# Allegro board 8880F5-0827_txbegin.brd (continued)
## Routing (per net, layer and track width the routed paths; a pad name or vN(x,y) marks a point on that pad's centre or on a via; arc(x,y) is an arc through that point) (continued)
; 411.48,349.71 D110.B5 ; D110.B5 411.48,351.33 ; D110.B5 410.67,350.52 ; D110.B5 412.29,350.52 ; 175.26,83.11 D317.A7 ; D317.A7 175.26,84.53 ; D317.A7 175.97,83.82 ; D317.A7 174.55,83.82 ; 392.99,66.04 D306.A6 ; D306.A6 393.7,65.33 ; D306.A6 393.7,66.75 ; D306.A6 394.41,66.04 ; 393.7,70.41 D306.B6 ; D306.B6 392.99,71.12 ; D306.B6 394.41,71.12 ; D306.B6 393.7,71.83 ; 253.33,180.85 SITE3.G6 ; SITE3.G6 253.81,181.33 ; SITE3.G6 252.85,181.33 ; SITE3.G6 253.33,181.81 ; D231.A17 160.83,375.92 ; D231.A17 159.21,375.92 ; D231.A17 160.02,375.11 ; D231.A17 160.02,376.73 ; D111.A1 421.64,376.73 ; D111.A1 421.64,375.11 ; D111.A1 420.83,375.92 ; D111.A1 422.45,375.92 ; D104.A9 328.47,33.02 ; D104.A9 327.66,33.83 ; D104.A9 327.66,32.21 ; D104.A9 326.85,33.02 ; D127.A7 27.94,54.15 ; D127.A7 27.13,53.34 ; D127.A7 27.94,52.53 ; D127.A7 28.75,53.34 ; CSDPS229.B12 172.72,333.55 ; CSDPS229.B12 172.72,331.93 ; CSDPS229.B12 171.91,332.74 ; CSDPS229.B12 173.53,332.74 ; 415.75,73.66 D106.A15 ; D106.A15 416.56,74.47 ; D106.A15 416.56,72.85 ; D106.A15 417.37,73.66 ; 233.68,77.93 D122.B1 ; D122.B1 234.49,78.74 ; D122.B1 232.87,78.74 ; D122.B1 233.68,79.55 ; D104.A6 320.04,36.37 ; D104.A6 319.23,35.56 ; D104.A6 320.04,34.75 ; D104.A6 320.85,35.56 ; 247.85,241.33 SITE1.G1 ; SITE1.G1 248.81,241.33 ; SITE1.G1 248.33,241.81 ; SITE1.G1 248.33,240.85 ; D126.B16 50.8,82.09 ; D126.B16 50.8,80.47 ; D126.B16 51.61,81.28 ; D126.B16 49.99,81.28 ; 415.75,355.6 D110.A3 ; D110.A3 416.56,356.41 ; D110.A3 417.37,355.6 ; D110.A3 416.56,354.79 ; D118.A10 182.88,77.01 ; D118.A10 182.07,76.2 ; D118.A10 183.69,76.2 ; D118.A10 182.88,75.39 ; D129.A14 120.19,96.52 ; D129.A14 119.38,95.71 ; D129.A14 118.57,96.52 ; D129.A14 119.38,97.33 ; D118.A16 198.12,77.01 ; D118.A16 197.31,76.2 ; D118.A16 198.12,75.39 ; D118.A16 198.93,76.2 ; 192.23,368.3 D231.B4 ; D231.B4 193.04,369.11 ; D231.B4 193.85,368.3 ; D231.B4 193.04,367.49 ; D132.A6 99.06,36.37 ; D132.A6 99.87,35.56 ; D132.A6 98.25,35.56 ; D132.A6 99.06,34.75 ; 345.44,90.73 D301.B16 ; D301.B16 345.44,92.15 ; D301.B16 346.15,91.44 ; D301.B16 344.73,91.44 ; D113.A15 312.42,336.09 ; D113.A15 311.61,335.28 ; D113.A15 313.23,335.28 ; D113.A15 312.42,334.47 ; D128.A6 26.21,35.56 ; D128.A6 24.59,35.56 ; D128.A6 25.4,34.75 ; D128.A6 25.4,36.37 ; 121.92,77.93 D130.B15 ; D130.B15 122.73,78.74 ; D130.B15 121.92,79.55 ; D130.B15 121.11,78.74 ; CSDPS425.C7 259.89,340.36 ; CSDPS425.C7 258.27,340.36 ; CSDPS425.C7 259.08,339.55 ; CSDPS425.C7 259.08,341.17 ; D305.B10 404.57,91.44 ; D305.B10 403.86,92.15 ; D305.B10 403.15,91.44 ; D305.B10 403.86,90.73 ; D116.B16 310.69,388.62 ; D116.B16 309.07,388.62 ; D116.B16 309.88,389.43 ; D116.B16 309.88,387.81 ; D104.B2 309.88,41.45 ; D104.B2 309.88,39.83 ; D104.B2 309.07,40.64 ; D104.B2 310.69,40.64 ; D231.B1 200.66,371.65 ; D231.B1 199.85,370.84 ; D231.B1 200.66,370.03 ; D231.B1 201.47,370.84 ; D108.B8 399.59,40.64 ; D108.B8 398.78,39.83 ; D108.B8 397.97,40.64 ; D108.B8 398.78,41.45 ; 159.21,386.08 D431.A17 ; D431.A17 160.83,386.08 ; D431.A17 160.02,385.27 ; D431.A17 160.02,386.89 ; D431.B13 170.18,381.81 ; D431.B13 169.37,381 ; D431.B13 170.99,381 ; D431.B13 170.18,380.19 ; 337.01,58.42 D103.B13 ; D103.B13 337.82,59.23 ; D103.B13 338.63,58.42 ; D103.B13 337.82,57.61 ; 309.07,35.56 D104.A2 ; D104.A2 309.88,36.37 ; D104.A2 309.88,34.75 ; D104.A2 310.69,35.56 ; 329.39,393.7 D116.A8 ; D116.A8 331.01,393.7 ; D116.A8 330.2,392.89 ; D116.A8 330.2,394.51 ; 252.63,245.95 SITE1.G20 ; SITE1.G20 252.63,246.91 ; SITE1.G20 253.11,246.43 ; SITE1.G20 252.15,246.43 ; D106.A2 383.54,77.01 ; D106.A2 382.73,76.2 ; D106.A2 383.54,75.39 ; D106.A2 384.35,76.2 ; 406.4,13.16 DPS1.A11 ; DPS1.A11 405.59,13.97 ; DPS1.A11 406.4,14.78 ; DPS1.A11 407.21,13.97 ; 400.51,53.34 D107.A9 ; D107.A9 401.32,54.15 ; D107.A9 402.13,53.34 ; D107.A9 401.32,52.53 ; CSDPS425.B4 266.7,343.71 ; CSDPS425.B4 265.89,342.9 ; CSDPS425.B4 266.7,342.09 ; CSDPS425.B4 267.51,342.9 ; D103.A10 330.2,56.69 ; D103.A10 330.2,55.07 ; D103.A10 331.01,55.88 ; D103.A10 329.39,55.88 ; 261.62,60.15 D123.B12 ; D123.B12 262.43,60.96 ; D123.B12 261.62,61.77 ; D123.B12 260.81,60.96 ; D124.A8 252.27,35.56 ; D124.A8 250.65,35.56 ; D124.A8 251.46,36.37 ; D124.A8 251.46,34.75 ; 198.12,70.41 D318.B16 ; D318.B16 198.12,71.83 ; D318.B16 198.83,71.12 ; D318.B16 197.41,71.12 ; 320.04,372.57 D115.A12 ; D115.A12 320.04,374.19 ; D115.A12 319.23,373.38 ; D115.A12 320.85,373.38 ; 189.69,415.29 DPS8.A05 ; DPS8.A05 190.5,416.1 ; DPS8.A05 190.5,414.48 ; DPS8.A05 191.31,415.29 ; D132.A8 104.14,36.37 ; D132.A8 104.14,34.75 ; D132.A8 103.33,35.56 ; D132.A8 104.95,35.56 ; D106.A12 409.75,76.2 ; D106.A12 408.94,77.01 ; D106.A12 408.13,76.2 ; D106.A12 408.94,75.39 ; D126.A7 27.94,74.47 ; D126.A7 27.94,72.85 ; D126.A7 28.75,73.66 ; D126.A7 27.13,73.66 ; 255.73,342.9 CSDPS425.B8 ; CSDPS425.B8 257.35,342.9 ; CSDPS425.B8 256.54,343.71 ; CSDPS425.B8 256.54,342.09 ; D318.A3 165.1,64.21 ; D318.A3 165.81,63.5 ; D318.A3 165.1,62.79 ; D318.A3 164.39,63.5 ; D129.B15 121.92,99.87 ; D129.B15 121.11,99.06 ; D129.B15 121.92,98.25 ; D129.B15 122.73,99.06 ; D130.A4 94.79,76.2 ; D130.A4 93.17,76.2 ; D130.A4 93.98,77.01 ; D130.A4 93.98,75.39 ; D123.A2 237.03,55.88 ; D123.A2 235.41,55.88 ; D123.A2 236.22,55.07 ; D123.A2 236.22,56.69 ; 320.04,392.89 D116.A12 ; D116.A12 319.23,393.7 ; D116.A12 320.04,394.51 ; D116.A12 320.85,393.7 ; 194.77,381 D431.B3 ; D431.B3 195.58,381.81 ; D431.B3 196.39,381 ; D431.B3 195.58,380.19 ; D126.B4 20.32,82.09 ; D126.B4 21.13,81.28 ; D126.B4 19.51,81.28 ; D126.B4 20.32,80.47 ; D114.B9 328.47,350.52 ; D114.B9 327.66,351.33 ; D114.B9 326.85,350.52 ; D114.B9 327.66,349.71 ; 164.29,38.1 D120.B3 ; D120.B3 165.1,38.91 ; D120.B3 165.1,37.29 ; D120.B3 165.91,38.1 ; 199.85,415.29 DPS8.A01 ; DPS8.A01 201.47,415.29 ; DPS8.A01 200.66,416.1 ; DPS8.A01 200.66,414.48 ; D131.B3 91.44,59.23 ; D131.B3 90.63,58.42 ; D131.B3 91.44,57.61 ; D131.B3 92.25,58.42 ; D119.B16 198.12,61.77 ; D119.B16 197.31,60.96 ; D119.B16 198.93,60.96 ; D119.B16 198.12,60.15 ; D131.B10 109.22,61.77 ; D131.B10 109.22,60.15 ; D131.B10 110.03,60.96 ; D131.B10 108.41,60.96 ; 175.26,339.55 CSDPS429.C11 ; CSDPS429.C11 174.45,340.36 ; CSDPS429.C11 176.07,340.36 ; CSDPS429.C11 175.26,341.17 ; 22.05,93.98 D125.A5 ; D125.A5 23.67,93.98 ; D125.A5 22.86,94.79 ; D125.A5 22.86,93.17 ; D113.B15 312.42,331.01 ; D113.B15 312.42,329.39 ; D113.B15 311.61,330.2 ; D113.B15 313.23,330.2 ; CSDPS229.C5 190.5,331.01 ; CSDPS229.C5 190.5,329.39 ; CSDPS229.C5 189.69,330.2 ; CSDPS229.C5 191.31,330.2 ; 240.59,91.44 D321.B4 ; D321.B4 241.3,90.73 ; D321.B4 242.01,91.44 ; D321.B4 241.3,92.15 ; 386.08,37.29 D108.B3 ; D108.B3 386.89,38.1 ; D108.B3 385.27,38.1 ; D108.B3 386.08,38.91 ; D110.B2 419.91,347.98 ; D110.B2 419.1,347.17 ; D110.B2 419.1,348.79 ; D110.B2 418.29,347.98 ; CSDPS225.C11 248.92,331.01 ; CSDPS225.C11 248.92,329.39 ; CSDPS225.C11 248.11,330.2 ; CSDPS225.C11 249.73,330.2 ; 124.46,60.15 D131.B16 ; D131.B16 125.27,60.96 ; D131.B16 124.46,61.77 ; D131.B16 123.65,60.96 ; 390.35,370.84 D111.B13 ; D111.B13 391.16,371.65 ; D111.B13 391.97,370.84 ; D111.B13 391.16,370.03 ; 397.97,60.96 D107.B8 ; D107.B8 399.59,60.96 ; D107.B8 398.78,61.77 ; D107.B8 398.78,60.15 ; D119.A7 176.07,53.34 ; D119.A7 175.26,54.15 ; D119.A7 175.26,52.53 ; D119.A7 174.45,53.34 ; 333.33,180.85 SITE4.G6 ; SITE4.G6 333.81,181.33 ; SITE4.G6 333.33,181.81 ; SITE4.G6 332.85,181.33 ; 30.48,100.79 D125.B8 ; D125.B8 29.67,101.6 ; D125.B8 30.48,102.41 ; D125.B8 31.29,101.6 ; 195.58,62.79 D318.A15 ; D318.A15 194.87,63.5 ; D318.A15 196.29,63.5 ; D318.A15 195.58,64.21 ; 330.95,246.43 SITE2.G19 ; SITE2.G19 331.91,246.43 ; SITE2.G19 331.43,245.95 ; SITE2.G19 331.43,246.91 ; D124.A9 254.81,33.02 ; D124.A9 254,32.21 ; D124.A9 253.19,33.02 ; D124.A9 254,33.83 ; 258.37,83.82 D321.A11 ; D321.A11 259.08,83.11 ; D321.A11 259.08,84.53 ; D321.A11 259.79,83.82 ; D431.B9 180.34,381.81 ; D431.B9 181.15,381 ; D431.B9 180.34,380.19 ; D431.B9 179.53,381 ; 260.81,40.64 D124.B12 ; D124.B12 261.62,39.83 ; D124.B12 262.43,40.64 ; D124.B12 261.62,41.45 ; 37.29,38.1 D128.B11 ; D128.B11 38.1,37.29 ; D128.B11 38.1,38.91 ; D128.B11 38.91,38.1 ; 100.79,78.74 D130.B7 ; D130.B7 101.6,77.93 ; D130.B7 102.41,78.74 ; D130.B7 101.6,79.55 ; 180.34,72.85 D118.A9 ; D118.A9 180.34,74.47 ; D118.A9 181.15,73.66 ; D118.A9 179.53,73.66 ; D129.A10 109.22,97.33 ; D129.A10 109.22,95.71 ; D129.A10 108.41,96.52 ; D129.A10 110.03,96.52 ; D106.B12 408.94,82.09 ; D106.B12 408.13,81.28 ; D106.B12 409.75,81.28 ; D106.B12 408.94,80.47 ; D116.A9 327.66,397.05 ; D116.A9 327.66,395.43 ; D116.A9 326.85,396.24 ; D116.A9 328.47,396.24 ; 172.72,75.39 D118.A6 ; D118.A6 172.72,77.01 ; D118.A6 171.91,76.2 ; D118.A6 173.53,76.2 ; 329.75,182.83 SITE4.G14 ; SITE4.G14 330.71,182.83 ; SITE4.G14 330.23,183.31 ; SITE4.G14 330.23,182.35 ; 164.29,410.21 DPS8.C15 ; DPS8.C15 165.1,409.4 ; DPS8.C15 165.1,411.02 ; DPS8.C15 165.91,410.21 ; D103.B7 323.39,58.42 ; D103.B7 321.77,58.42 ; D103.B7 322.58,59.23 ; D103.B7 322.58,57.61 ; 400.51,396.24 D112.A9 ; D112.A9 401.32,397.05 ; D112.A9 401.32,395.43 ; D112.A9 402.13,396.24 ; 179.63,88.9 D317.B9 ; D317.B9 180.34,88.19 ; D317.B9 181.05,88.9 ; D317.B9 180.34,89.61 ; D318.B15 195.58,69.29 ; D318.B15 196.29,68.58 ; D318.B15 195.58,67.87 ; D318.B15 194.87,68.58 ; D126.A13 43.99,73.66 ; D126.A13 42.37,73.66 ; D126.A13 43.18,74.47 ; D126.A13 43.18,72.85 ; 32.21,99.06 D125.B9 ; D125.B9 33.83,99.06 ; D125.B9 33.02,99.87 ; D125.B9 33.02,98.25 ; D123.B4 242.11,60.96 ; D123.B4 241.3,60.15 ; D123.B4 241.3,61.77 ; D123.B4 240.49,60.96 ; 314.15,55.88 D103.A4 ; D103.A4 314.96,55.07 ; D103.A4 314.96,56.69 ; D103.A4 315.77,55.88 ; D107.A12 409.75,55.88 ; D107.A12 408.13,55.88 ; D107.A12 408.94,55.07 ; D107.A12 408.94,56.69 ; D122.A8 252.27,76.2 ; D122.A8 251.46,75.39 ; D122.A8 251.46,77.01 ; D122.A8 250.65,76.2 ; D122.B2 236.22,82.09 ; D122.B2 235.41,81.28 ; D122.B2 236.22,80.47 ; D122.B2 237.03,81.28 ; D302.B14 341.07,71.12 ; D302.B14 340.36,70.41 ; D302.B14 340.36,71.83 ; D302.B14 339.65,71.12 ; 408.13,35.56 D108.A12 ; D108.A12 408.94,34.75 ; D108.A12 409.75,35.56 ; D108.A12 408.94,36.37 ; 401.32,329.39 D109.B9 ; D109.B9 402.13,330.2 ; D109.B9 400.51,330.2 ; D109.B9 401.32,331.01 ; 250.65,81.28 D122.B8 ; D122.B8 251.46,82.09 ; D122.B8 251.46,80.47 ; D122.B8 252.27,81.28 ; 347.17,330.2 D113.B1 ; D113.B1 347.98,331.01 ; D113.B1 348.79,330.2 ; D113.B1 347.98,329.39 ; D123.A4 242.11,55.88 ; D123.A4 240.49,55.88 ; D123.A4 241.3,55.07 ; D123.A4 241.3,56.69 ; D231.A3 195.58,376.73 ; D231.A3 195.58,375.11 ; D231.A3 194.77,375.92 ; D231.A3 196.39,375.92 ; 248.11,33.02 D124.A7 ; D124.A7 248.92,32.21 ; D124.A7 249.73,33.02 ; D124.A7 248.92,33.83 ; 414.02,80.47 D106.B14 ; D106.B14 413.21,81.28 ; D106.B14 414.02,82.09 ; D106.B14 414.83,81.28 ; 252.33,247.45 SITE1.G11 ; SITE1.G11 252.81,247.93 ; SITE1.G11 252.33,248.41 ; SITE1.G11 251.85,247.93 ; 179.63,63.5 D318.A9 ; D318.A9 181.05,63.5 ; D318.A9 180.34,62.79 ; D318.A9 180.34,64.21 ; 43.18,52.53 D127.A13 ; D127.A13 43.99,53.34 ; D127.A13 42.37,53.34 ; D127.A13 43.18,54.15 ; D231.A8 183.69,373.38 ; D231.A8 182.07,373.38 ; D231.A8 182.88,372.57 ; D231.A8 182.88,374.19 ; D431.B12 172.72,379.27 ; D431.B12 172.72,377.65 ; D431.B12 171.91,378.46 ; D431.B12 173.53,378.46 ; 330.95,242.83 SITE2.G15 ; SITE2.G15 331.43,242.35 ; SITE2.G15 331.91,242.83 ; SITE2.G15 331.43,243.31 ; 317.5,370.03 D115.B13 ; D115.B13 317.5,371.65 ; D115.B13 318.31,370.84 ; D115.B13 316.69,370.84 ; D321.B11 259.79,88.9 ; D321.B11 259.08,88.19 ; D321.B11 259.08,89.61 ; D321.B11 258.37,88.9 ; D125.A12 41.45,96.52 ; D125.A12 39.83,96.52 ; D125.A12 40.64,97.33 ; D125.A12 40.64,95.71 ; 517.98,203.45 S4_I2C.4 ; S4_I2C.4 518.92,202.51 ; S4_I2C.4 518.92,204.39 ; S4_I2C.4 519.86,203.45 ; 250.85,241.33 SITE1.G4 ; SITE1.G4 251.33,240.85 ; SITE1.G4 251.33,241.81 ; SITE1.G4 251.81,241.33 ; 330.23,185.95 SITE4.G18 ; SITE4.G18 330.71,186.43 ; SITE4.G18 330.23,186.91 ; SITE4.G18 329.75,186.43 ; CSDPS425.B12 247.19,342.9 ; CSDPS425.B12 246.38,342.09 ; CSDPS425.B12 246.38,343.71 ; CSDPS425.B12 245.57,342.9 ; D119.B5 170.99,58.42 ; D119.B5 170.18,57.61 ; D119.B5 169.37,58.42 ; D119.B5 170.18,59.23 ; 43.18,32.21 D128.A13 ; D128.A13 43.18,33.83 ; D128.A13 42.37,33.02 ; D128.A13 43.99,33.02 ; D124.A16 272.59,35.56 ; D124.A16 270.97,35.56 ; D124.A16 271.78,36.37 ; D124.A16 271.78,34.75 ; D128.A15 49.07,33.02 ; D128.A15 48.26,33.83 ; D128.A15 47.45,33.02 ; D128.A15 48.26,32.21 ; D129.B9 107.49,99.06 ; D129.B9 106.68,99.87 ; D129.B9 106.68,98.25 ; D129.B9 105.87,99.06 ; 332.74,67.87 D302.B11 ; D302.B11 333.45,68.58 ; D302.B11 332.03,68.58 ; D302.B11 332.74,69.29 ; D124.B8 252.27,40.64 ; D124.B8 251.46,39.83 ; D124.B8 250.65,40.64 ; D124.B8 251.46,41.45 ; D301.A1 308.05,83.82 ; D301.A1 306.63,83.82 ; D301.A1 307.34,83.11 ; D301.A1 307.34,84.53 ; 255.73,40.64 D124.B10 ; D124.B10 257.35,40.64 ; D124.B10 256.54,39.83 ; D124.B10 256.54,41.45 ; D108.A8 399.59,35.56 ; D108.A8 397.97,35.56 ; D108.A8 398.78,36.37 ; D108.A8 398.78,34.75 ; 189.79,63.5 D318.A13 ; D318.A13 191.21,63.5 ; D318.A13 190.5,64.21 ; D318.A13 190.5,62.79 ; 251.85,187.93 SITE3.G11 ; SITE3.G11 252.81,187.93 ; SITE3.G11 252.33,187.45 ; SITE3.G11 252.33,188.41 ; D317.A1 160.73,83.82 ; D317.A1 159.31,83.82 ; D317.A1 160.02,84.53 ; D317.A1 160.02,83.11 ; 314.25,71.12 D302.B4 ; D302.B4 314.96,70.41 ; D302.B4 315.67,71.12 ; D302.B4 314.96,71.83 ; 250.85,181.33 SITE3.G4 ; SITE3.G4 251.33,181.81 ; SITE3.G4 251.33,180.85 ; SITE3.G4 251.81,181.33 ; 12.7,32.21 D128.A1 ; D128.A1 11.89,33.02 ; D128.A1 13.51,33.02 ; D128.A1 12.7,33.83 ; 246.38,85.65 D321.A6 ; D321.A6 247.09,86.36 ; D321.A6 246.38,87.07 ; D321.A6 245.67,86.36 ; 382.83,86.36 D305.A2 ; D305.A2 383.54,85.65 ; D305.A2 384.25,86.36 ; D305.A2 383.54,87.07 ; 309.07,347.98 D114.B16 ; D114.B16 309.88,347.17 ; D114.B16 309.88,348.79 ; D114.B16 310.69,347.98 ; 326.85,58.42 D103.B9 ; D103.B9 327.66,59.23 ; D103.B9 327.66,57.61 ; D103.B9 328.47,58.42 ; D109.B13 391.16,331.01 ; D109.B13 391.97,330.2 ; D109.B13 390.35,330.2 ; D109.B13 391.16,329.39 ; 388.62,55.07 D107.A4 ; D107.A4 389.43,55.88 ; D107.A4 388.62,56.69 ; D107.A4 387.81,55.88 ; 174.55,88.9 D317.B7 ; D317.B7 175.97,88.9 ; D317.B7 175.26,89.61 ; D317.B7 175.26,88.19 ; 401.32,354.79 D110.A9 ; D110.A9 402.13,355.6 ; D110.A9 400.51,355.6 ; D110.A9 401.32,356.41 ; 182.88,65.33 D318.A10 ; D318.A10 183.59,66.04 ; D318.A10 182.88,66.75 ; D318.A10 182.17,66.04 ; 43.18,57.61 D127.B13 ; D127.B13 43.99,58.42 ; D127.B13 43.18,59.23 ; D127.B13 42.37,58.42 ; SITE3.G3 250.33,181.81 ; SITE3.G3 249.85,181.33 ; SITE3.G3 250.81,181.33 ; SITE3.G3 250.33,180.85 ; 104.14,95.71 D129.A8 ; D129.A8 104.95,96.52 ; D129.A8 104.14,97.33 ; D129.A8 103.33,96.52 ; D102.A1 308.15,73.66 ; D102.A1 306.53,73.66 ; D102.A1 307.34,74.47 ; D102.A1 307.34,72.85 ; 401.32,349.71 D110.B9 ; D110.B9 401.32,351.33 ; D110.B9 400.51,350.52 ; D110.B9 402.13,350.52 ; 395.43,396.24 D112.A11 ; D112.A11 396.24,395.43 ; D112.A11 397.05,396.24 ; D112.A11 396.24,397.05 ; D127.B10 35.56,61.77 ; D127.B10 34.75,60.96 ; D127.B10 36.37,60.96 ; D127.B10 35.56,60.15 ; 273.51,330.2 CSDPS225.C1 ; CSDPS225.C1 274.32,329.39 ; CSDPS225.C1 275.13,330.2 ; CSDPS225.C1 274.32,331.01 ; 347.98,390.35 D116.B1 ; D116.B1 347.98,391.97 ; D116.B1 347.17,391.16 ; D116.B1 348.79,391.16 ; D306.B15 416.56,69.29 ; D306.B15 416.56,67.87 ; D306.B15 415.85,68.58 ; D306.B15 417.27,68.58 ; 330.2,34.75 D104.A10 ; D104.A10 329.39,35.56 ; D104.A10 331.01,35.56 ; D104.A10 330.2,36.37 ; D321.B1 233.68,89.61 ; D321.B1 233.68,88.19 ; D321.B1 234.39,88.9 ; D321.B1 232.97,88.9 ; 408.23,66.04 D306.A12 ; D306.A12 409.65,66.04 ; D306.A12 408.94,65.33 ; D306.A12 408.94,66.75 ; 98.25,55.88 D131.A6 ; D131.A6 99.06,56.69 ; D131.A6 99.87,55.88 ; D131.A6 99.06,55.07 ; 29.67,76.2 D126.A8 ; D126.A8 31.29,76.2 ; D126.A8 30.48,77.01 ; D126.A8 30.48,75.39 ; 119.38,100.79 D129.B14 ; D129.B14 118.57,101.6 ; D129.B14 120.19,101.6 ; D129.B14 119.38,102.41 ; D102.B10 330.2,82.09 ; D102.B10 330.2,80.47 ; D102.B10 329.39,81.28 ; D102.B10 331.01,81.28 ; D127.B7 27.94,59.23 ; D127.B7 27.13,58.42 ; D127.B7 27.94,57.61 ; D127.B7 28.75,58.42 ; 322.58,349.71 D114.B11 ; D114.B11 323.39,350.52 ; D114.B11 321.77,350.52 ; D114.B11 322.58,351.33 ; 35.56,80.47 D126.B10 ; D126.B10 36.37,81.28 ; D126.B10 34.75,81.28 ; D126.B10 35.56,82.09 ; 328.85,187.93 SITE4.G8 ; SITE4.G8 329.33,187.45 ; SITE4.G8 329.81,187.93 ; SITE4.G8 329.33,188.41 ; D120.B2 162.56,41.45 ; D120.B2 161.75,40.64 ; D120.B2 163.37,40.64 ; D120.B2 162.56,39.83 ; D231.B9 180.34,371.65 ; D231.B9 181.15,370.84 ; D231.B9 180.34,370.03 ; D231.B9 179.53,370.84 ; D321.A15 269.24,84.53 ; D321.A15 269.24,83.11 ; D321.A15 268.53,83.82 ; D321.A15 269.95,83.82 ; D131.B12 115.11,60.96 ; D131.B12 114.3,60.15 ; D131.B12 114.3,61.77 ; D131.B12 113.49,60.96 ; D111.A12 393.7,374.19 ; D111.A12 393.7,372.57 ; D111.A12 394.51,373.38 ; D111.A12 392.89,373.38 ; 255.73,332.74 CSDPS225.B8 ; CSDPS225.B8 256.54,331.93 ; CSDPS225.B8 256.54,333.55 ; CSDPS225.B8 257.35,332.74 ; D103.A9 327.66,54.15 ; D103.A9 326.85,53.34 ; D103.A9 328.47,53.34 ; D103.A9 327.66,52.53 ; D130.A10 110.03,76.2 ; D130.A10 109.22,75.39 ; D130.A10 108.41,76.2 ; D130.A10 109.22,77.01 ; 161.75,373.38 D231.A16 ; D231.A16 162.56,372.57 ; D231.A16 162.56,374.19 ; D231.A16 163.37,373.38 ; D306.B3 386.79,68.58 ; D306.B3 386.08,69.29 ; D306.B3 385.37,68.58 ; D306.B3 386.08,67.87 ; D125.B11 38.91,99.06 ; D125.B11 38.1,99.87 ; D125.B11 38.1,98.25 ; D125.B11 37.29,99.06 ; 174.45,78.74 D118.B7 ; D118.B7 175.26,77.93 ; D118.B7 175.26,79.55 ; D118.B7 176.07,78.74 ; 345.44,85.65 D301.A16 ; D301.A16 346.15,86.36 ; D301.A16 344.73,86.36 ; D301.A16 345.44,87.07 ; D317.B3 165.81,88.9 ; D317.B3 165.1,88.19 ; D317.B3 164.39,88.9 ; D317.B3 165.1,89.61 ; 88.9,80.47 D130.B2 ; D130.B2 88.9,82.09 ; D130.B2 88.09,81.28 ; D130.B2 89.71,81.28 ; D110.B3 417.37,350.52 ; D110.B3 416.56,349.71 ; D110.B3 415.75,350.52 ; D110.B3 416.56,351.33 ; 396.24,349.71 D110.B11 ; D110.B11 395.43,350.52 ; D110.B11 396.24,351.33 ; D110.B11 397.05,350.52 ; D106.B8 399.59,81.28 ; D106.B8 397.97,81.28 ; D106.B8 398.78,82.09 ; D106.B8 398.78,80.47 ; 337.82,329.39 D113.B5 ; D113.B5 337.82,331.01 ; D113.B5 337.01,330.2 ; D113.B5 338.63,330.2 ; D306.A4 388.62,66.75 ; D306.A4 388.62,65.33 ; D306.A4 387.91,66.04 ; D306.A4 389.33,66.04 ; 193.04,85.65 D317.A14 ; D317.A14 193.75,86.36 ; D317.A14 193.04,87.07 ; D317.A14 192.33,86.36 ; 383.54,65.33 D306.A2 ; D306.A2 384.25,66.04 ; D306.A2 382.83,66.04 ; D306.A2 383.54,66.75 ; 93.17,101.6 D129.B4 ; D129.B4 93.98,100.79 ; D129.B4 93.98,102.41 ; D129.B4 94.79,101.6 ; D128.B4 20.32,41.45 ; D128.B4 19.51,40.64 ; D128.B4 20.32,39.83 ; D128.B4 21.13,40.64 ; 190.5,72.85 D118.A13 ; D118.A13 191.31,73.66 ; D118.A13 190.5,74.47 ; D118.A13 189.69,73.66 ; 175.26,385.27 D431.A11 ; D431.A11 176.07,386.08 ; D431.A11 175.26,386.89 ; D431.A11 174.45,386.08 ; D109.B4 414.83,327.66 ; D109.B4 414.02,328.47 ; D109.B4 414.02,326.85 ; D109.B4 413.21,327.66 ; D113.B12 320.04,328.47 ; D113.B12 320.04,326.85 ; D113.B12 320.85,327.66 ; D113.B12 319.23,327.66 ; 329.33,247.45 SITE2.G8 ; SITE2.G8 329.33,248.41 ; SITE2.G8 328.85,247.93 ; SITE2.G8 329.81,247.93 ; 408.94,70.41 D306.B12 ; D306.B12 409.65,71.12 ; D306.B12 408.23,71.12 ; D306.B12 408.94,71.83 ; D302.B15 342.9,69.29 ; D302.B15 343.61,68.58 ; D302.B15 342.19,68.58 ; D302.B15 342.9,67.87 ; D318.B10 182.88,71.83 ; D318.B10 182.88,70.41 ; D318.B10 183.59,71.12 ; D318.B10 182.17,71.12 ; D108.B10 403.86,41.45 ; D108.B10 403.05,40.64 ; D108.B10 404.67,40.64 ; D108.B10 403.86,39.83 ; 119.38,80.47 D130.B14 ; D130.B14 119.38,82.09 ; D130.B14 120.19,81.28 ; D130.B14 118.57,81.28 ; D305.A8 398.78,87.07 ; D305.A8 398.78,85.65 ; D305.A8 399.49,86.36 ; D305.A8 398.07,86.36 ; 334.47,353.06 D114.A6 ; D114.A6 335.28,353.87 ; D114.A6 335.28,352.25 ; D114.A6 336.09,353.06 ; 248.33,180.85 SITE3.G1 ; SITE3.G1 247.85,181.33 ; SITE3.G1 248.33,181.81 ; SITE3.G1 248.81,181.33 ; 172.01,66.04 D318.A6 ; D318.A6 173.43,66.04 ; D318.A6 172.72,65.33 ; D318.A6 172.72,66.75 ; D108.A13 412.29,33.02 ; D108.A13 410.67,33.02 ; D108.A13 411.48,32.21 ; D108.A13 411.48,33.83 ; 85.55,38.1 D132.B1 ; D132.B1 86.36,37.29 ; D132.B1 87.17,38.1 ; D132.B1 86.36,38.91 ; 43.18,37.29 D128.B13 ; D128.B13 42.37,38.1 ; D128.B13 43.99,38.1 ; D128.B13 43.18,38.91 ; D102.A5 317.5,74.47 ; D102.A5 318.31,73.66 ; D102.A5 317.5,72.85 ; D102.A5 316.69,73.66 ; 91.44,52.53 D131.A3 ; D131.A3 91.44,54.15 ; D131.A3 90.63,53.34 ; D131.A3 92.25,53.34 ; D122.B11 259.89,78.74 ; D122.B11 259.08,79.55 ; D122.B11 259.08,77.93 ; D122.B11 258.27,78.74 ; 259.08,18.24 DPS3.C11 ; DPS3.C11 259.89,19.05 ; DPS3.C11 259.08,19.86 ; DPS3.C11 258.27,19.05 ; 184.71,63.5 D318.A11 ; D318.A11 186.13,63.5 ; D318.A11 185.42,64.21 ; D318.A11 185.42,62.79 ; D107.A8 398.78,56.69 ; D107.A8 397.97,55.88 ; D107.A8 398.78,55.07 ; D107.A8 399.59,55.88 ; D322.A3 239.47,63.5 ; D322.A3 238.76,64.21 ; D322.A3 238.76,62.79 ; D322.A3 238.05,63.5 ; S2_I2C.4 505.89,203.45 ; S2_I2C.4 504.95,204.39 ; S2_I2C.4 504.95,202.51 ; S2_I2C.4 504.01,203.45 ; 248.11,78.74 D122.B7 ; D122.B7 248.92,77.93 ; D122.B7 249.73,78.74 ; D122.B7 248.92,79.55 ; 421.64,370.03 D111.B1 ; D111.B1 420.83,370.84 ; D111.B1 422.45,370.84 ; D111.B1 421.64,371.65 ; CSDPS425.B14 242.11,342.9 ; CSDPS425.B14 240.49,342.9 ; CSDPS425.B14 241.3,342.09 ; CSDPS425.B14 241.3,343.71 ; 269.24,37.29 D124.B15 ; D124.B15 270.05,38.1 ; D124.B15 269.24,38.91 ; D124.B15 268.43,38.1 ; 110.95,38.1 D132.B11 ; D132.B11 111.76,38.91 ; D132.B11 112.57,38.1 ; D132.B11 111.76,37.29 ; D120.A6 173.53,35.56 ; D120.A6 172.72,36.37 ; D120.A6 171.91,35.56 ; D120.A6 172.72,34.75 ; D302.A10 330.91,66.04 ; D302.A10 330.2,66.75 ; D302.A10 330.2,65.33 ; D302.A10 329.49,66.04 ; D126.A10 35.56,77.01 ; D126.A10 35.56,75.39 ; D126.A10 34.75,76.2 ; D126.A10 36.37,76.2 ; 326.85,370.84 D115.B9 ; D115.B9 327.66,371.65 ; D115.B9 327.66,370.03 ; D115.B9 328.47,370.84 ; D132.A13 117.65,33.02 ; D132.A13 116.84,32.21 ; D132.A13 116.03,33.02 ; D132.A13 116.84,33.83 ; 95.71,53.34 D131.A5 ; D131.A5 96.52,52.53 ; D131.A5 97.33,53.34 ; D131.A5 96.52,54.15 ; D119.A14 193.85,55.88 ; D119.A14 193.04,56.69 ; D119.A14 193.04,55.07 ; D119.A14 192.23,55.88 ; D231.A2 198.12,374.19 ; D231.A2 197.31,373.38 ; D231.A2 198.93,373.38 ; D231.A2 198.12,372.57 ; D125.B10 35.56,102.41 ; D125.B10 36.37,101.6 ; D125.B10 34.75,101.6 ; D125.B10 35.56,100.79 ; D115.A13 317.5,376.73 ; D115.A13 317.5,375.11 ; D115.A13 318.31,375.92 ; D115.A13 316.69,375.92 ; D114.B1 348.79,350.52 ; D114.B1 347.17,350.52 ; D114.B1 347.98,349.71 ; D114.B1 347.98,351.33 ; D119.A6 172.72,56.69 ; D119.A6 172.72,55.07 ; D119.A6 171.91,55.88 ; D119.A6 173.53,55.88 ; 14.43,60.96 D127.B2 ; D127.B2 16.05,60.96 ; D127.B2 15.24,60.15 ; D127.B2 15.24,61.77 ; D126.B7 28.75,78.74 ; D126.B7 27.94,77.93 ; D126.B7 27.94,79.55 ; D126.B7 27.13,78.74 ; CSDPS425.C11 248.92,341.17 ; CSDPS425.C11 249.73,340.36 ; CSDPS425.C11 248.11,340.36 ; CSDPS425.C11 248.92,339.55 ; 238.05,88.9 D321.B3 ; D321.B3 238.76,88.19 ; D321.B3 238.76,89.61 ; D321.B3 239.47,88.9 ; 256.54,90.73 D321.B10 ; D321.B10 255.83,91.44 ; D321.B10 256.54,92.15 ; D321.B10 257.25,91.44 ; D108.A1 381,33.83 ; D108.A1 380.19,33.02 ; D108.A1 381,32.21 ; D108.A1 381.81,33.02 ; 334.47,327.66 D113.B6 ; D113.B6 335.28,328.47 ; D113.B6 335.28,326.85 ; D113.B6 336.09,327.66 ; D305.A5 391.16,84.53 ; D305.A5 390.45,83.82 ; D305.A5 391.87,83.82 ; D305.A5 391.16,83.11 ; 396.24,37.29 D108.B7 ; D108.B7 395.43,38.1 ; D108.B7 397.05,38.1 ; D108.B7 396.24,38.91 ; D112.A10 399.59,393.7 ; D112.A10 398.78,392.89 ; D112.A10 397.97,393.7 ; D112.A10 398.78,394.51 ; CSDPS425.C3 270.05,340.36 ; CSDPS425.C3 269.24,339.55 ; CSDPS425.C3 268.43,340.36 ; CSDPS425.C3 269.24,341.17 ; D321.B15 269.95,88.9 ; D321.B15 269.24,88.19 ; D321.B15 268.53,88.9 ; D321.B15 269.24,89.61 ; 114.3,55.07 D131.A12 ; D131.A12 114.3,56.69 ; D131.A12 115.11,55.88 ; D131.A12 113.49,55.88 ; D322.A16 272.49,66.04 ; D322.A16 271.78,65.33 ; D322.A16 271.78,66.75 ; D322.A16 271.07,66.04 ; 232.97,68.58 D322.B1 ; D322.B1 233.68,67.87 ; D322.B1 234.39,68.58 ; D322.B1 233.68,69.29 ; 314.25,91.44 D301.B4 ; D301.B4 314.96,92.15 ; D301.B4 315.67,91.44 ; D301.B4 314.96,90.73 ; 193.04,377.65 D431.B4 ; D431.B4 192.23,378.46 ; D431.B4 193.85,378.46 ; D431.B4 193.04,379.27 ; D321.A12 261.62,87.07 ; D321.A12 261.62,85.65 ; D321.A12 262.33,86.36 ; D321.A12 260.91,86.36 ; D317.B5 170.89,88.9 ; D317.B5 170.18,88.19 ; D317.B5 170.18,89.61 ; D317.B5 169.47,88.9 ; 387.81,81.28 D106.B4 ; D106.B4 388.62,82.09 ; D106.B4 388.62,80.47 ; D106.B4 389.43,81.28 ; D301.A12 335.99,86.36 ; D301.A12 334.57,86.36 ; D301.A12 335.28,87.07 ; D301.A12 335.28,85.65 ; D108.A7 397.05,33.02 ; D108.A7 396.24,32.21 ; D108.A7 395.43,33.02 ; D108.A7 396.24,33.83 ; D130.B9 107.49,78.74 ; D130.B9 105.87,78.74 ; D130.B9 106.68,79.55 ; D130.B9 106.68,77.93 ; 420.83,391.16 D112.B1 ; D112.B1 421.64,391.97 ; D112.B1 421.64,390.35 ; D112.B1 422.45,391.16 ; D119.B3 165.91,58.42 ; D119.B3 164.29,58.42 ; D119.B3 165.1,59.23 ; D119.B3 165.1,57.61 ; D317.A8 177.8,87.07 ; D317.A8 177.8,85.65 ; D317.A8 178.51,86.36 ; D317.A8 177.09,86.36 ; 309.07,55.88 D103.A2 ; D103.A2 309.88,56.69 ; D103.A2 310.69,55.88 ; D103.A2 309.88,55.07 ; 328.33,247.45 SITE2.G7 ; SITE2.G7 328.81,247.93 ; SITE2.G7 328.33,248.41 ; SITE2.G7 327.85,247.93 ; 390.35,350.52 D110.B13 ; D110.B13 391.97,350.52 ; D110.B13 391.16,351.33 ; D110.B13 391.16,349.71 ; 339.55,388.62 D116.B4 ; D116.B4 340.36,389.43 ; D116.B4 341.17,388.62 ; D116.B4 340.36,387.81 ; D317.A5 170.18,84.53 ; D317.A5 169.47,83.82 ; D317.A5 170.89,83.82 ; D317.A5 170.18,83.11 ; D306.B7 396.24,69.29 ; D306.B7 395.53,68.58 ; D306.B7 396.95,68.58 ; D306.B7 396.24,67.87 ; D122.A5 244.65,73.66 ; D122.A5 243.84,72.85 ; D122.A5 243.03,73.66 ; D122.A5 243.84,74.47 ; 250.75,86.36 D321.A8 ; D321.A8 251.46,85.65 ; D321.A8 252.17,86.36 ; D321.A8 251.46,87.07 ; 22.05,78.74 D126.B5 ; D126.B5 22.86,77.93 ; D126.B5 23.67,78.74 ; D126.B5 22.86,79.55 ; D128.B3 17.78,38.91 ; D128.B3 17.78,37.29 ; D128.B3 16.97,38.1 ; D128.B3 18.59,38.1 ; D128.B8 31.29,40.64 ; D128.B8 30.48,39.83 ; D128.B8 30.48,41.45 ; D128.B8 29.67,40.64 ; 325.12,331.93 D113.A10 ; D113.A10 325.93,332.74 ; D113.A10 324.31,332.74 ; D113.A10 325.12,333.55 ; 386.08,334.47 D109.A15 ; D109.A15 385.27,335.28 ; D109.A15 386.08,336.09 ; D109.A15 386.89,335.28 ; D108.A16 419.91,35.56 ; D108.A16 419.1,34.75 ; D108.A16 418.29,35.56 ; D108.A16 419.1,36.37 ; 118.57,40.64 D132.B14 ; D132.B14 119.38,39.83 ; D132.B14 120.19,40.64 ; D132.B14 119.38,41.45 ; D122.A4 242.11,76.2 ; D122.A4 241.3,75.39 ; D122.A4 240.49,76.2 ; D122.A4 241.3,77.01 ; D119.B12 188.77,60.96 ; D119.B12 187.96,60.15 ; D119.B12 187.15,60.96 ; D119.B12 187.96,61.77 ; 397.97,353.06 D110.A10 ; D110.A10 398.78,352.25 ; D110.A10 398.78,353.87 ; D110.A10 399.59,353.06 ; D305.A3 386.08,84.53 ; D305.A3 386.79,83.82 ; D305.A3 386.08,83.11 ; D305.A3 385.37,83.82 ; 325.12,39.83 D104.B8 ; D104.B8 325.12,41.45 ; D104.B8 324.31,40.64 ; D104.B8 325.93,40.64 ; D104.A5 318.31,33.02 ; D104.A5 316.69,33.02 ; D104.A5 317.5,33.83 ; D104.A5 317.5,32.21 ; 187.15,378.46 D431.B6 ; D431.B6 188.77,378.46 ; D431.B6 187.96,379.27 ; D431.B6 187.96,377.65 ; 385.27,53.34 D107.A3 ; D107.A3 386.89,53.34 ; D107.A3 386.08,52.53 ; D107.A3 386.08,54.15 ; D231.B15 165.1,371.65 ; D231.B15 164.29,370.84 ; D231.B15 165.91,370.84 ; D231.B15 165.1,370.03 ; D103.B16 345.44,61.77 ; D103.B16 344.63,60.96 ; D103.B16 346.25,60.96 ; D103.B16 345.44,60.15 ; D127.A5 23.67,53.34 ; D127.A5 22.86,54.15 ; D127.A5 22.05,53.34 ; D127.A5 22.86,52.53 ; D119.A2 162.56,56.69 ; D119.A2 162.56,55.07 ; D119.A2 161.75,55.88 ; D119.A2 163.37,55.88 ; 324.31,55.88 D103.A8 ; D103.A8 325.12,55.07 ; D103.A8 325.12,56.69 ; D103.A8 325.93,55.88 ; D108.A9 401.32,33.83 ; D108.A9 402.13,33.02 ; D108.A9 401.32,32.21 ; D108.A9 400.51,33.02 ; 331.93,391.16 D116.B7 ; D116.B7 332.74,390.35 ; D116.B7 333.55,391.16 ; D116.B7 332.74,391.97 ; D321.A5 244.55,83.82 ; D321.A5 243.13,83.82 ; D321.A5 243.84,83.11 ; D321.A5 243.84,84.53 ; 410.67,375.92 D111.A5 ; D111.A5 411.48,375.11 ; D111.A5 412.29,375.92 ; D111.A5 411.48,376.73 ; D128.B16 51.61,40.64 ; D128.B16 49.99,40.64 ; D128.B16 50.8,41.45 ; D128.B16 50.8,39.83 ; D103.B5 317.5,59.23 ; D103.B5 316.69,58.42 ; D103.B5 317.5,57.61 ; D103.B5 318.31,58.42 ; 159.21,33.02 D120.A1 ; D120.A1 160.02,33.83 ; D120.A1 160.83,33.02 ; D120.A1 160.02,32.21 ; D127.B1 13.51,58.42 ; D127.B1 12.7,59.23 ; D127.B1 12.7,57.61 ; D127.B1 11.89,58.42 ; D321.B5 243.84,89.61 ; D321.B5 243.84,88.19 ; D321.B5 244.55,88.9 ; D321.B5 243.13,88.9 ; D107.B14 414.02,61.77 ; D107.B14 413.21,60.96 ; D107.B14 414.83,60.96 ; D107.B14 414.02,60.15 ; 271.78,39.83 D124.B16 ; D124.B16 270.97,40.64 ; D124.B16 272.59,40.64 ; D124.B16 271.78,41.45 ; D130.A13 116.84,74.47 ; D130.A13 116.03,73.66 ; D130.A13 116.84,72.85 ; D130.A13 117.65,73.66 ; 179.53,386.08 D431.A9 ; D431.A9 180.34,385.27 ; D431.A9 180.34,386.89 ; D431.A9 181.15,386.08 ; D231.B10 177.8,369.11 ; D231.B10 176.99,368.3 ; D231.B10 178.61,368.3 ; D231.B10 177.8,367.49 ; D322.A7 248.92,64.21 ; D322.A7 248.92,62.79 ; D322.A7 249.63,63.5 ; D322.A7 248.21,63.5 ; D109.B15 386.89,330.2 ; D109.B15 385.27,330.2 ; D109.B15 386.08,329.39 ; D109.B15 386.08,331.01 ; 251.33,247.45 SITE1.G10 ; SITE1.G10 251.81,247.93 ; SITE1.G10 250.85,247.93 ; SITE1.G10 251.33,248.41 ; D301.B13 337.82,89.61 ; D301.B13 337.82,88.19 ; D301.B13 337.11,88.9 ; D301.B13 338.53,88.9 ; 238.05,83.82 D321.A3 ; D321.A3 238.76,83.11 ; D321.A3 238.76,84.53 ; D321.A3 239.47,83.82 ; 187.25,86.36 D317.A12 ; D317.A12 187.96,85.65 ; D317.A12 187.96,87.07 ; D317.A12 188.67,86.36 ; SITE2.G1 328.81,241.33 ; SITE2.G1 327.85,241.33 ; SITE2.G1 328.33,241.81 ; SITE2.G1 328.33,240.85 ; 252.15,182.83 SITE3.G16 ; SITE3.G16 253.11,182.83 ; SITE3.G16 252.63,183.31 ; SITE3.G16 252.63,182.35 ; 88.9,95.71 D129.A2 ; D129.A2 89.71,96.52 ; D129.A2 88.09,96.52 ; D129.A2 88.9,97.33 ; D111.B10 399.59,368.3 ; D111.B10 398.78,367.49 ; D111.B10 398.78,369.11 ; D111.B10 397.97,368.3 ; D302.B10 330.2,71.83 ; D302.B10 330.91,71.12 ; D302.B10 330.2,70.41 ; D302.B10 329.49,71.12 ; D115.A5 338.63,375.92 ; D115.A5 337.82,375.11 ; D115.A5 337.01,375.92 ; D115.A5 337.82,376.73 ; 314.96,372.57 D115.A14 ; D115.A14 314.96,374.19 ; D115.A14 314.15,373.38 ; D115.A14 315.77,373.38 ; D125.A1 12.7,94.79 ; D125.A1 13.51,93.98 ; D125.A1 11.89,93.98 ; D125.A1 12.7,93.17 ; 406.4,32.21 D108.A11 ; D108.A11 406.4,33.83 ; D108.A11 407.21,33.02 ; D108.A11 405.59,33.02 ; 391.16,72.85 D106.A5 ; D106.A5 390.35,73.66 ; D106.A5 391.16,74.47 ; D106.A5 391.97,73.66 ; 180.34,67.87 D318.B9 ; D318.B9 179.63,68.58 ; D318.B9 181.05,68.58 ; D318.B9 180.34,69.29 ; CSDPS429.C13 170.18,341.17 ; CSDPS429.C13 170.18,339.55 ; CSDPS429.C13 169.37,340.36 ; CSDPS429.C13 170.99,340.36 ; 187.15,55.88 D119.A12 ; D119.A12 187.96,56.69 ; D119.A12 188.77,55.88 ; D119.A12 187.96,55.07 ; D302.B16 346.15,71.12 ; D302.B16 345.44,71.83 ; D302.B16 345.44,70.41 ; D302.B16 344.73,71.12 ; 106.68,72.85 D130.A9 ; D130.A9 105.87,73.66 ; D130.A9 106.68,74.47 ; D130.A9 107.49,73.66 ; 261.62,65.33 D322.A12 ; D322.A12 260.91,66.04 ; D322.A12 261.62,66.75 ; D322.A12 262.33,66.04 ; D112.B10 398.78,389.43 ; D112.B10 399.59,388.62 ; D112.B10 398.78,387.81 ; D112.B10 397.97,388.62 ; 401.32,88.19 D305.B9 ; D305.B9 402.03,88.9 ; D305.B9 400.61,88.9 ; D305.B9 401.32,89.61 ; D130.A12 114.3,77.01 ; D130.A12 115.11,76.2 ; D130.A12 114.3,75.39 ; D130.A12 113.49,76.2 ; D131.B14 119.38,61.77 ; D131.B14 120.19,60.96 ; D131.B14 119.38,60.15 ; D131.B14 118.57,60.96 ; 175.26,37.29 D120.B7 ; D120.B7 175.26,38.91 ; D120.B7 176.07,38.1 ; D120.B7 174.45,38.1 ; 12.7,72.85 D126.A1 ; D126.A1 11.89,73.66 ; D126.A1 12.7,74.47 ; D126.A1 13.51,73.66 ; D120.B10 182.88,41.45 ; D120.B10 183.69,40.64 ; D120.B10 182.88,39.83 ; D120.B10 182.07,40.64 ; D107.A16 419.1,56.69 ; D107.A16 418.29,55.88 ; D107.A16 419.1,55.07 ; D107.A16 419.91,55.88 ; D129.A6 99.06,97.33 ; D129.A6 99.87,96.52 ; D129.A6 99.06,95.71 ; D129.A6 98.25,96.52 ; D112.A12 393.7,394.51 ; D112.A12 393.7,392.89 ; D112.A12 392.89,393.7 ; D112.A12 394.51,393.7 ; D321.B13 264.87,88.9 ; D321.B13 264.16,89.61 ; D321.B13 264.16,88.19 ; D321.B13 263.45,88.9 ; 312.42,414.48 DPS2.A15 ; DPS2.A15 312.42,416.1 ; DPS2.A15 313.23,415.29 ; DPS2.A15 311.61,415.29 ; 266.7,75.39 D122.A14 ; D122.A14 267.51,76.2 ; D122.A14 266.7,77.01 ; D122.A14 265.89,76.2 ; D305.B3 386.08,89.61 ; D305.B3 385.37,88.9 ; D305.B3 386.79,88.9 ; D305.B3 386.08,88.19 ; 331.93,33.02 D104.A11 ; D104.A11 332.74,33.83 ; D104.A11 332.74,32.21 ; D104.A11 333.55,33.02 ; D129.B12 114.3,102.41 ; D129.B12 115.11,101.6 ; D129.B12 113.49,101.6 ; D129.B12 114.3,100.79 ; 393.7,75.39 D106.A6 ; D106.A6 392.89,76.2 ; D106.A6 394.51,76.2 ; D106.A6 393.7,77.01 ; D111.A3 417.37,375.92 ; D111.A3 416.56,375.11 ; D111.A3 415.75,375.92 ; D111.A3 416.56,376.73 ; 180.34,339.55 CSDPS429.C9 ; CSDPS429.C9 179.53,340.36 ; CSDPS429.C9 180.34,341.17 ; CSDPS429.C9 181.15,340.36 ; D108.B12 408.94,41.45 ; D108.B12 409.75,40.64 ; D108.B12 408.13,40.64 ; D108.B12 408.94,39.83 ; 160.02,72.85 D118.A1 ; D118.A1 159.21,73.66 ; D118.A1 160.02,74.47 ; D118.A1 160.83,73.66 ; 179.53,38.1 D120.B9 ; D120.B9 181.15,38.1 ; D120.B9 180.34,38.91 ; D120.B9 180.34,37.29 ; D110.B1 422.45,350.52 ; D110.B1 421.64,349.71 ; D110.B1 421.64,351.33 ; D110.B1 420.83,350.52 ; 337.82,349.71 D114.B5 ; D114.B5 337.82,351.33 ; D114.B5 337.01,350.52 ; D114.B5 338.63,350.52 ; 258.37,68.58 D322.B11 ; D322.B11 259.79,68.58 ; D322.B11 259.08,69.29 ; D322.B11 259.08,67.87 ; D103.A14 340.36,56.69 ; D103.A14 340.36,55.07 ; D103.A14 341.17,55.88 ; D103.A14 339.55,55.88 ; 403.86,372.57 D111.A8 ; D111.A8 403.86,374.19 ; D111.A8 404.67,373.38 ; D111.A8 403.05,373.38 ; D119.A4 168.45,55.88 ; D119.A4 167.64,56.69 ; D119.A4 166.83,55.88 ; D119.A4 167.64,55.07 ; 403.05,353.06 D110.A8 ; D110.A8 403.86,353.87 ; D110.A8 403.86,352.25 ; D110.A8 404.67,353.06 ; D301.A14 341.07,86.36 ; D301.A14 340.36,85.65 ; D301.A14 340.36,87.07 ; D301.A14 339.65,86.36 ; 185.42,385.27 D431.A7 ; D431.A7 186.23,386.08 ; D431.A7 185.42,386.89 ; D431.A7 184.61,386.08 ; D132.B12 115.11,40.64 ; D132.B12 113.49,40.64 ; D132.B12 114.3,39.83 ; D132.B12 114.3,41.45 ; 395.43,58.42 D107.B7 ; D107.B7 397.05,58.42 ; D107.B7 396.24,57.61 ; D107.B7 396.24,59.23 ; 327.66,72.85 D102.A9 ; D102.A9 326.85,73.66 ; D102.A9 327.66,74.47 ; D102.A9 328.47,73.66 ; D112.A7 407.21,396.24 ; D112.A7 406.4,397.05 ; D112.A7 406.4,395.43 ; D112.A7 405.59,396.24 ; D119.B1 160.83,58.42 ; D119.B1 159.21,58.42 ; D119.B1 160.02,57.61 ; D119.B1 160.02,59.23 ; D108.B16 419.91,40.64 ; D108.B16 419.1,41.45 ; D108.B16 418.29,40.64 ; D108.B16 419.1,39.83 ; D120.A15 195.58,33.83 ; D120.A15 195.58,32.21 ; D120.A15 194.77,33.02 ; D120.A15 196.39,33.02 ; D305.A14 414.73,86.36 ; D305.A14 414.02,87.07 ; D305.A14 413.31,86.36 ; D305.A14 414.02,85.65 ; S3_I2C.4 83.31,209.98 ; S3_I2C.4 83.31,208.1 ; S3_I2C.4 82.37,209.04 ; S3_I2C.4 84.25,209.04 ; D106.A11 407.21,73.66 ; D106.A11 406.4,72.85 ; D106.A11 406.4,74.47 ; D106.A11 405.59,73.66 ; D112.A3 417.37,396.24 ; D112.A3 415.75,396.24 ; D112.A3 416.56,397.05 ; D112.A3 416.56,395.43 ; 245.57,81.28 D122.B6 ; D122.B6 247.19,81.28 ; D122.B6 246.38,80.47 ; D122.B6 246.38,82.09 ; 22.05,33.02 D128.A5 ; D128.A5 23.67,33.02 ; D128.A5 22.86,33.83 ; D128.A5 22.86,32.21 ; 17.78,98.25 D125.B3 ; D125.B3 16.97,99.06 ; D125.B3 18.59,99.06 ; D125.B3 17.78,99.87 ; D306.B2 383.54,71.83 ; D306.B2 383.54,70.41 ; D306.B2 384.25,71.12 ; D306.B2 382.83,71.12 ; 251.46,55.07 D123.A8 ; D123.A8 251.46,56.69 ; D123.A8 252.27,55.88 ; D123.A8 250.65,55.88 ; D124.A3 238.76,33.83 ; D124.A3 238.76,32.21 ; D124.A3 237.95,33.02 ; D124.A3 239.57,33.02 ; D301.A11 333.45,83.82 ; D301.A11 332.74,83.11 ; D301.A11 332.03,83.82 ; D301.A11 332.74,84.53 ; D125.A3 17.78,94.79 ; D125.A3 17.78,93.17 ; D125.A3 16.97,93.98 ; D125.A3 18.59,93.98 ; 345.44,34.75 D104.A16 ; D104.A16 345.44,36.37 ; D104.A16 344.63,35.56 ; D104.A16 346.25,35.56 ; D113.B16 309.88,328.47 ; D113.B16 309.07,327.66 ; D113.B16 310.69,327.66 ; D113.B16 309.88,326.85 ; DPS2.C05 337.82,411.02 ; DPS2.C05 338.63,410.21 ; DPS2.C05 337.82,409.4 ; DPS2.C05 337.01,410.21 ; 387.91,91.44 D305.B4 ; D305.B4 389.33,91.44 ; D305.B4 388.62,90.73 ; D305.B4 388.62,92.15 ; 410.67,391.16 D112.B5 ; D112.B5 411.48,390.35 ; D112.B5 411.48,391.97 ; D112.B5 412.29,391.16 ; D114.A3 342.9,356.41 ; D114.A3 342.9,354.79 ; D114.A3 342.09,355.6 ; D114.A3 343.71,355.6 ; D124.B7 249.73,38.1 ; D124.B7 248.92,38.91 ; D124.B7 248.92,37.29 ; D124.B7 248.11,38.1 ; D302.B9 328.37,68.58 ; D302.B9 326.95,68.58 ; D302.B9 327.66,69.29 ; D302.B9 327.66,67.87 ; D301.A13 338.53,83.82 ; D301.A13 337.82,84.53 ; D301.A13 337.82,83.11 ; D301.A13 337.11,83.82 ; 419.1,387.81 D112.B2 ; D112.B2 418.29,388.62 ; D112.B2 419.1,389.43 ; D112.B2 419.91,388.62 ; 96.2,219.15 U2.4 ; U2.4 98.08,219.15 ; U2.4 97.14,220.09 ; U2.4 97.14,218.21 ; D431.B11 176.07,381 ; D431.B11 175.26,381.81 ; D431.B11 174.45,381 ; D431.B11 175.26,380.19 ; 164.29,330.2 CSDPS229.C15 ; CSDPS229.C15 165.91,330.2 ; CSDPS229.C15 165.1,331.01 ; CSDPS229.C15 165.1,329.39 ; D115.B2 346.25,368.3 ; D115.B2 345.44,367.49 ; D115.B2 345.44,369.11 ; D115.B2 344.63,368.3 ; D113.B11 322.58,331.01 ; D113.B11 321.77,330.2 ; D113.B11 323.39,330.2 ; D113.B11 322.58,329.39 ; D111.A7 406.4,376.73 ; D111.A7 405.59,375.92 ; D111.A7 407.21,375.92 ; D111.A7 406.4,375.11 ; 40.64,60.15 D127.B12 ; D127.B12 40.64,61.77 ; D127.B12 39.83,60.96 ; D127.B12 41.45,60.96 ; 328.33,187.45 SITE4.G7 ; SITE4.G7 328.81,187.93 ; SITE4.G7 328.33,188.41 ; SITE4.G7 327.85,187.93 ; D130.B10 109.22,82.09 ; D130.B10 108.41,81.28 ; D130.B10 110.03,81.28 ; D130.B10 109.22,80.47 ; D131.B5 96.52,59.23 ; D131.B5 95.71,58.42 ; D131.B5 97.33,58.42 ; D131.B5 96.52,57.61 ; D118.A11 185.42,74.47 ; D118.A11 185.42,72.85 ; D118.A11 184.61,73.66 ; D118.A11 186.23,73.66 ; D317.B15 195.58,89.61 ; D317.B15 196.29,88.9 ; D317.B15 194.87,88.9 ; D317.B15 195.58,88.19 ; D305.B14 414.02,92.15 ; D305.B14 413.31,91.44 ; D305.B14 414.73,91.44 ; D305.B14 414.02,90.73 ; D305.A9 402.03,83.82 ; D305.A9 401.32,84.53 ; D305.A9 400.61,83.82 ; D305.A9 401.32,83.11 ; 105.87,33.02 D132.A9 ; D132.A9 107.49,33.02 ; D132.A9 106.68,32.21 ; D132.A9 106.68,33.83 ; 99.06,80.47 D130.B6 ; D130.B6 99.87,81.28 ; D130.B6 99.06,82.09 ; D130.B6 98.25,81.28 ; 419.1,90.73 D305.B16 ; D305.B16 419.81,91.44 ; D305.B16 419.1,92.15 ; D305.B16 418.39,91.44 ; 35.56,95.71 D125.A10 ; D125.A10 36.37,96.52 ; D125.A10 35.56,97.33 ; D125.A10 34.75,96.52 ; D431.B1 200.66,381.81 ; D431.B1 199.85,381 ; D431.B1 201.47,381 ; D431.B1 200.66,380.19 ; D103.B6 320.85,60.96 ; D103.B6 320.04,60.15 ; D103.B6 319.23,60.96 ; D103.B6 320.04,61.77 ; 403.86,85.65 D305.A10 ; D305.A10 403.86,87.07 ; D305.A10 404.57,86.36 ; D305.A10 403.15,86.36 ; 345.44,65.33 D302.A16 ; D302.A16 345.44,66.75 ; D302.A16 344.73,66.04 ; D302.A16 346.15,66.04 ; D111.A13 391.16,376.73 ; D111.A13 391.16,375.11 ; D111.A13 390.35,375.92 ; D111.A13 391.97,375.92 ; 20.32,34.75 D128.A4 ; D128.A4 20.32,36.37 ; D128.A4 19.51,35.56 ; D128.A4 21.13,35.56 ; 25.4,60.15 D127.B6 ; D127.B6 26.21,60.96 ; D127.B6 25.4,61.77 ; D127.B6 24.59,60.96 ; 190.5,409.4 DPS8.C05 ; DPS8.C05 191.31,410.21 ; DPS8.C05 189.69,410.21 ; DPS8.C05 190.5,411.02 ; 414.02,387.81 D112.B4 ; D112.B4 414.83,388.62 ; D112.B4 414.02,389.43 ; D112.B4 413.21,388.62 ; 316.69,53.34 D103.A5 ; D103.A5 318.31,53.34 ; D103.A5 317.5,54.15 ; D103.A5 317.5,52.53 ; D317.B6 173.43,91.44 ; D317.B6 172.01,91.44 ; D317.B6 172.72,90.73 ; D317.B6 172.72,92.15 ; D109.A7 406.4,336.09 ; D109.A7 407.21,335.28 ; D109.A7 405.59,335.28 ; D109.A7 406.4,334.47 ; D119.B6 172.72,61.77 ; D119.B6 171.91,60.96 ; D119.B6 172.72,60.15 ; D119.B6 173.53,60.96 ; 190.5,370.03 D231.B5 ; D231.B5 190.5,371.65 ; D231.B5 189.69,370.84 ; D231.B5 191.31,370.84 ; 335.28,65.33 D302.A12 ; D302.A12 334.57,66.04 ; D302.A12 335.99,66.04 ; D302.A12 335.28,66.75 ; D118.A8 178.61,76.2 ; D118.A8 176.99,76.2 ; D118.A8 177.8,77.01 ; D118.A8 177.8,75.39 ; 243.84,37.29 D124.B5 ; D124.B5 243.84,38.91 ; D124.B5 243.03,38.1 ; D124.B5 244.65,38.1 ; D123.A14 267.51,55.88 